# Altium PCB pay-ssm.PcbDoc (part 1 of 2)
Units mm, origin at the board's own origin, x right, y up, seen from the top; angles counter-clockwise.
Board outline 127 x 55.12 mm, 4 copper layers (Top Layer, GND, VCC, Bottom Layer), stack 0.603 mm thick; 264 components, 204 nets, 944 pads, 308 vias.
Unrouted connection lines stored in the file: 449.
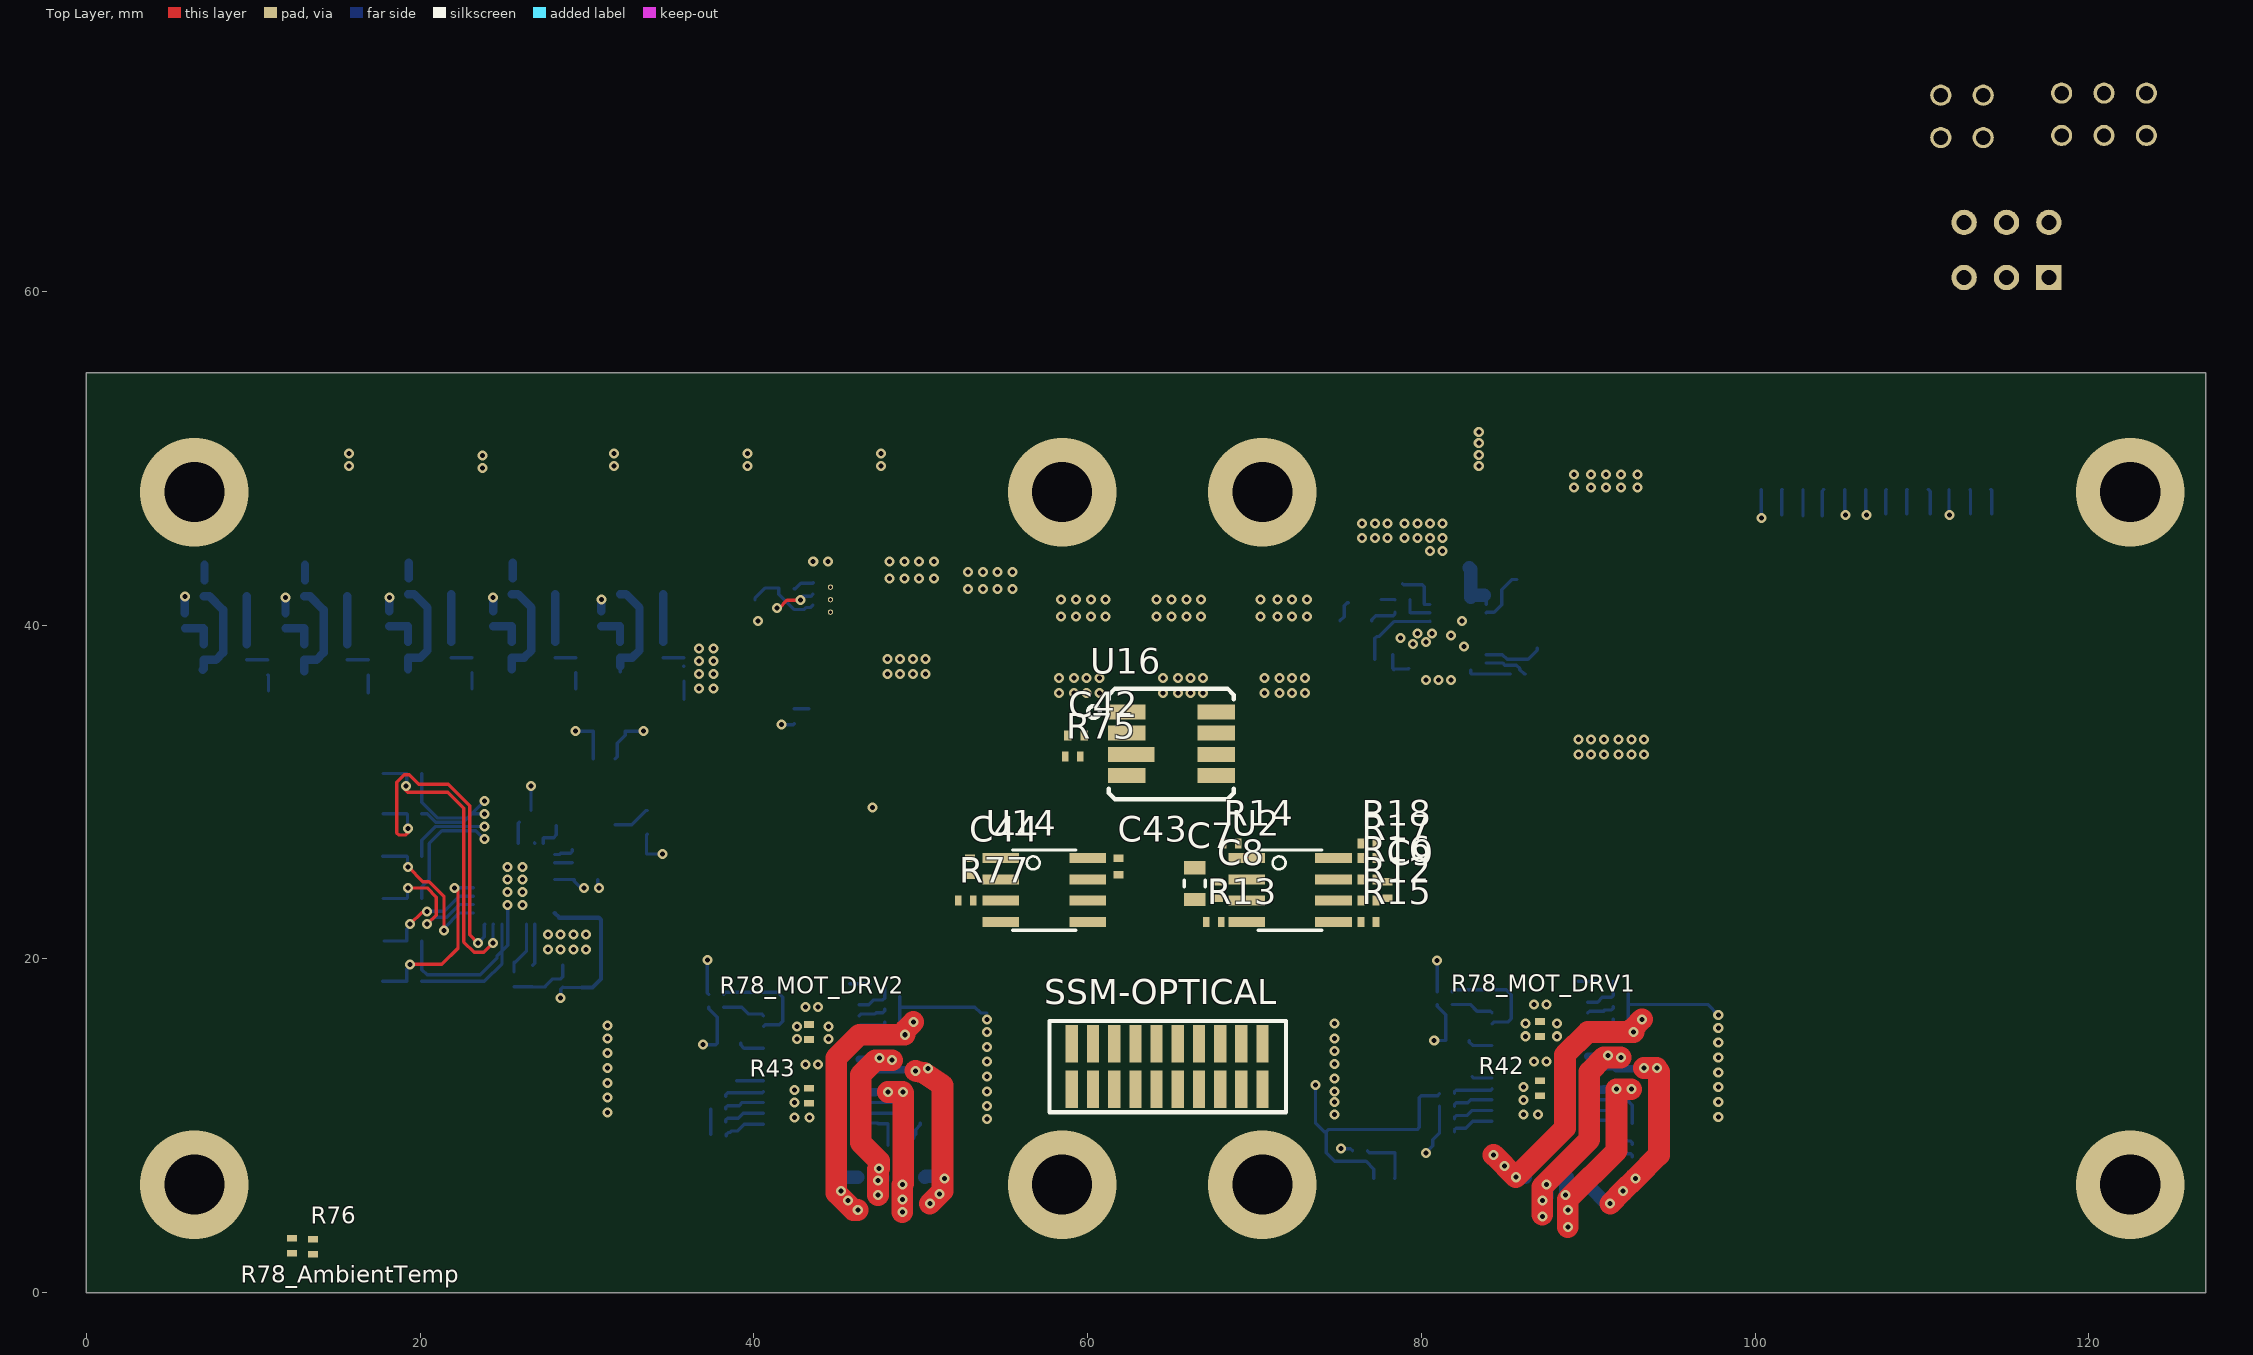
[diagram p0: Top Layer view]
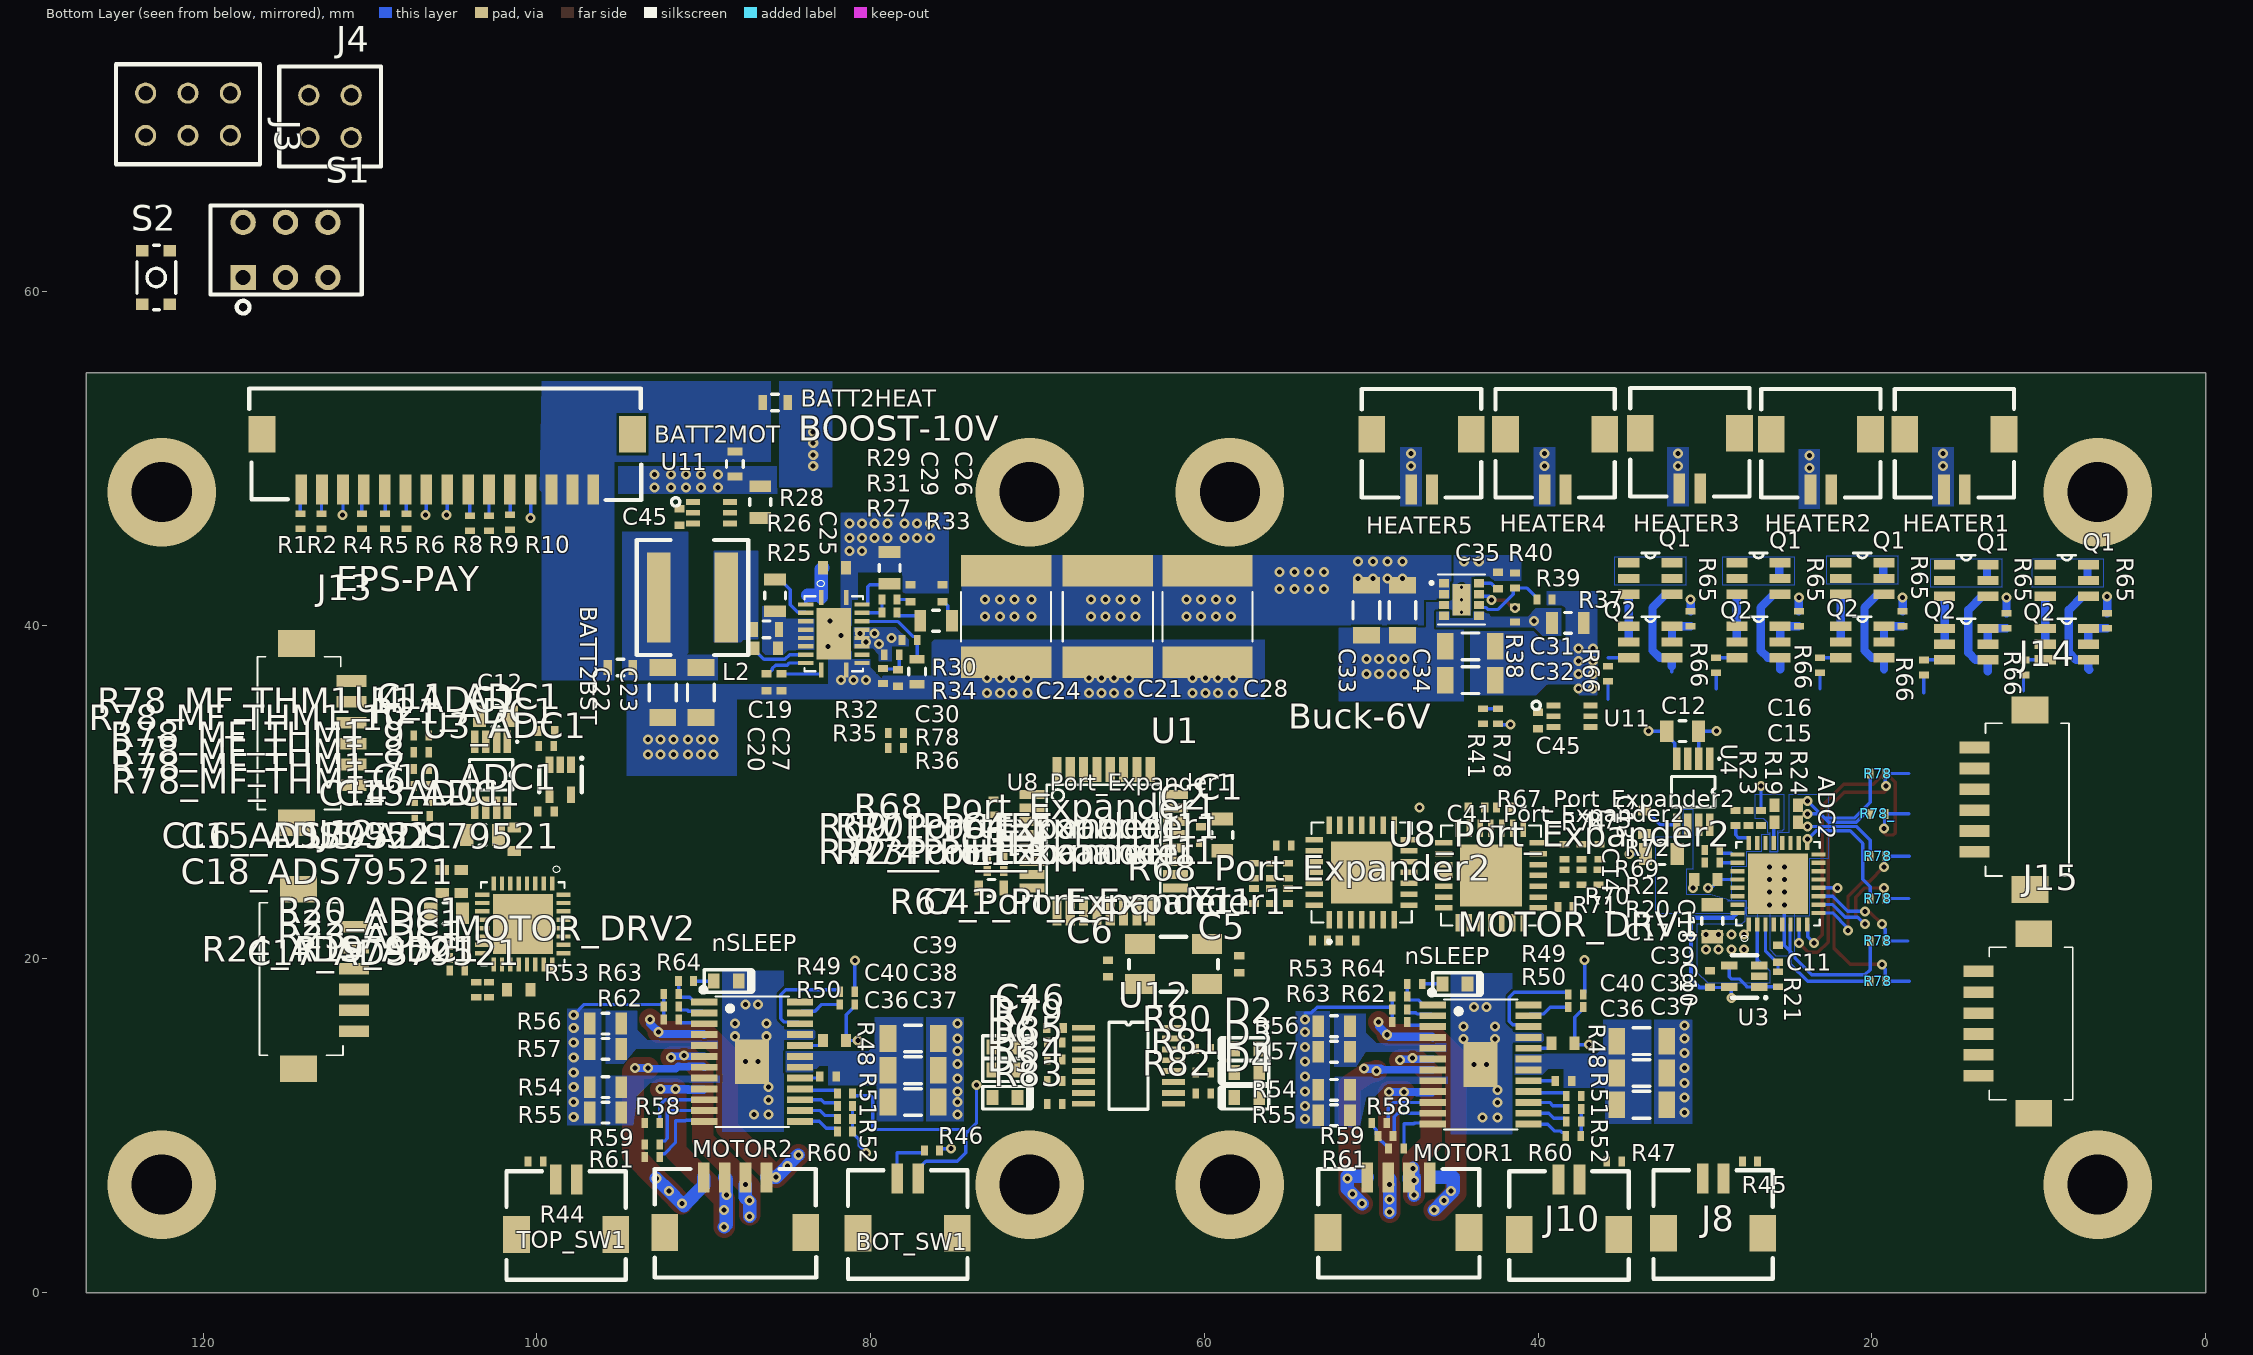
[diagram p1: Bottom Layer view, seen from below]
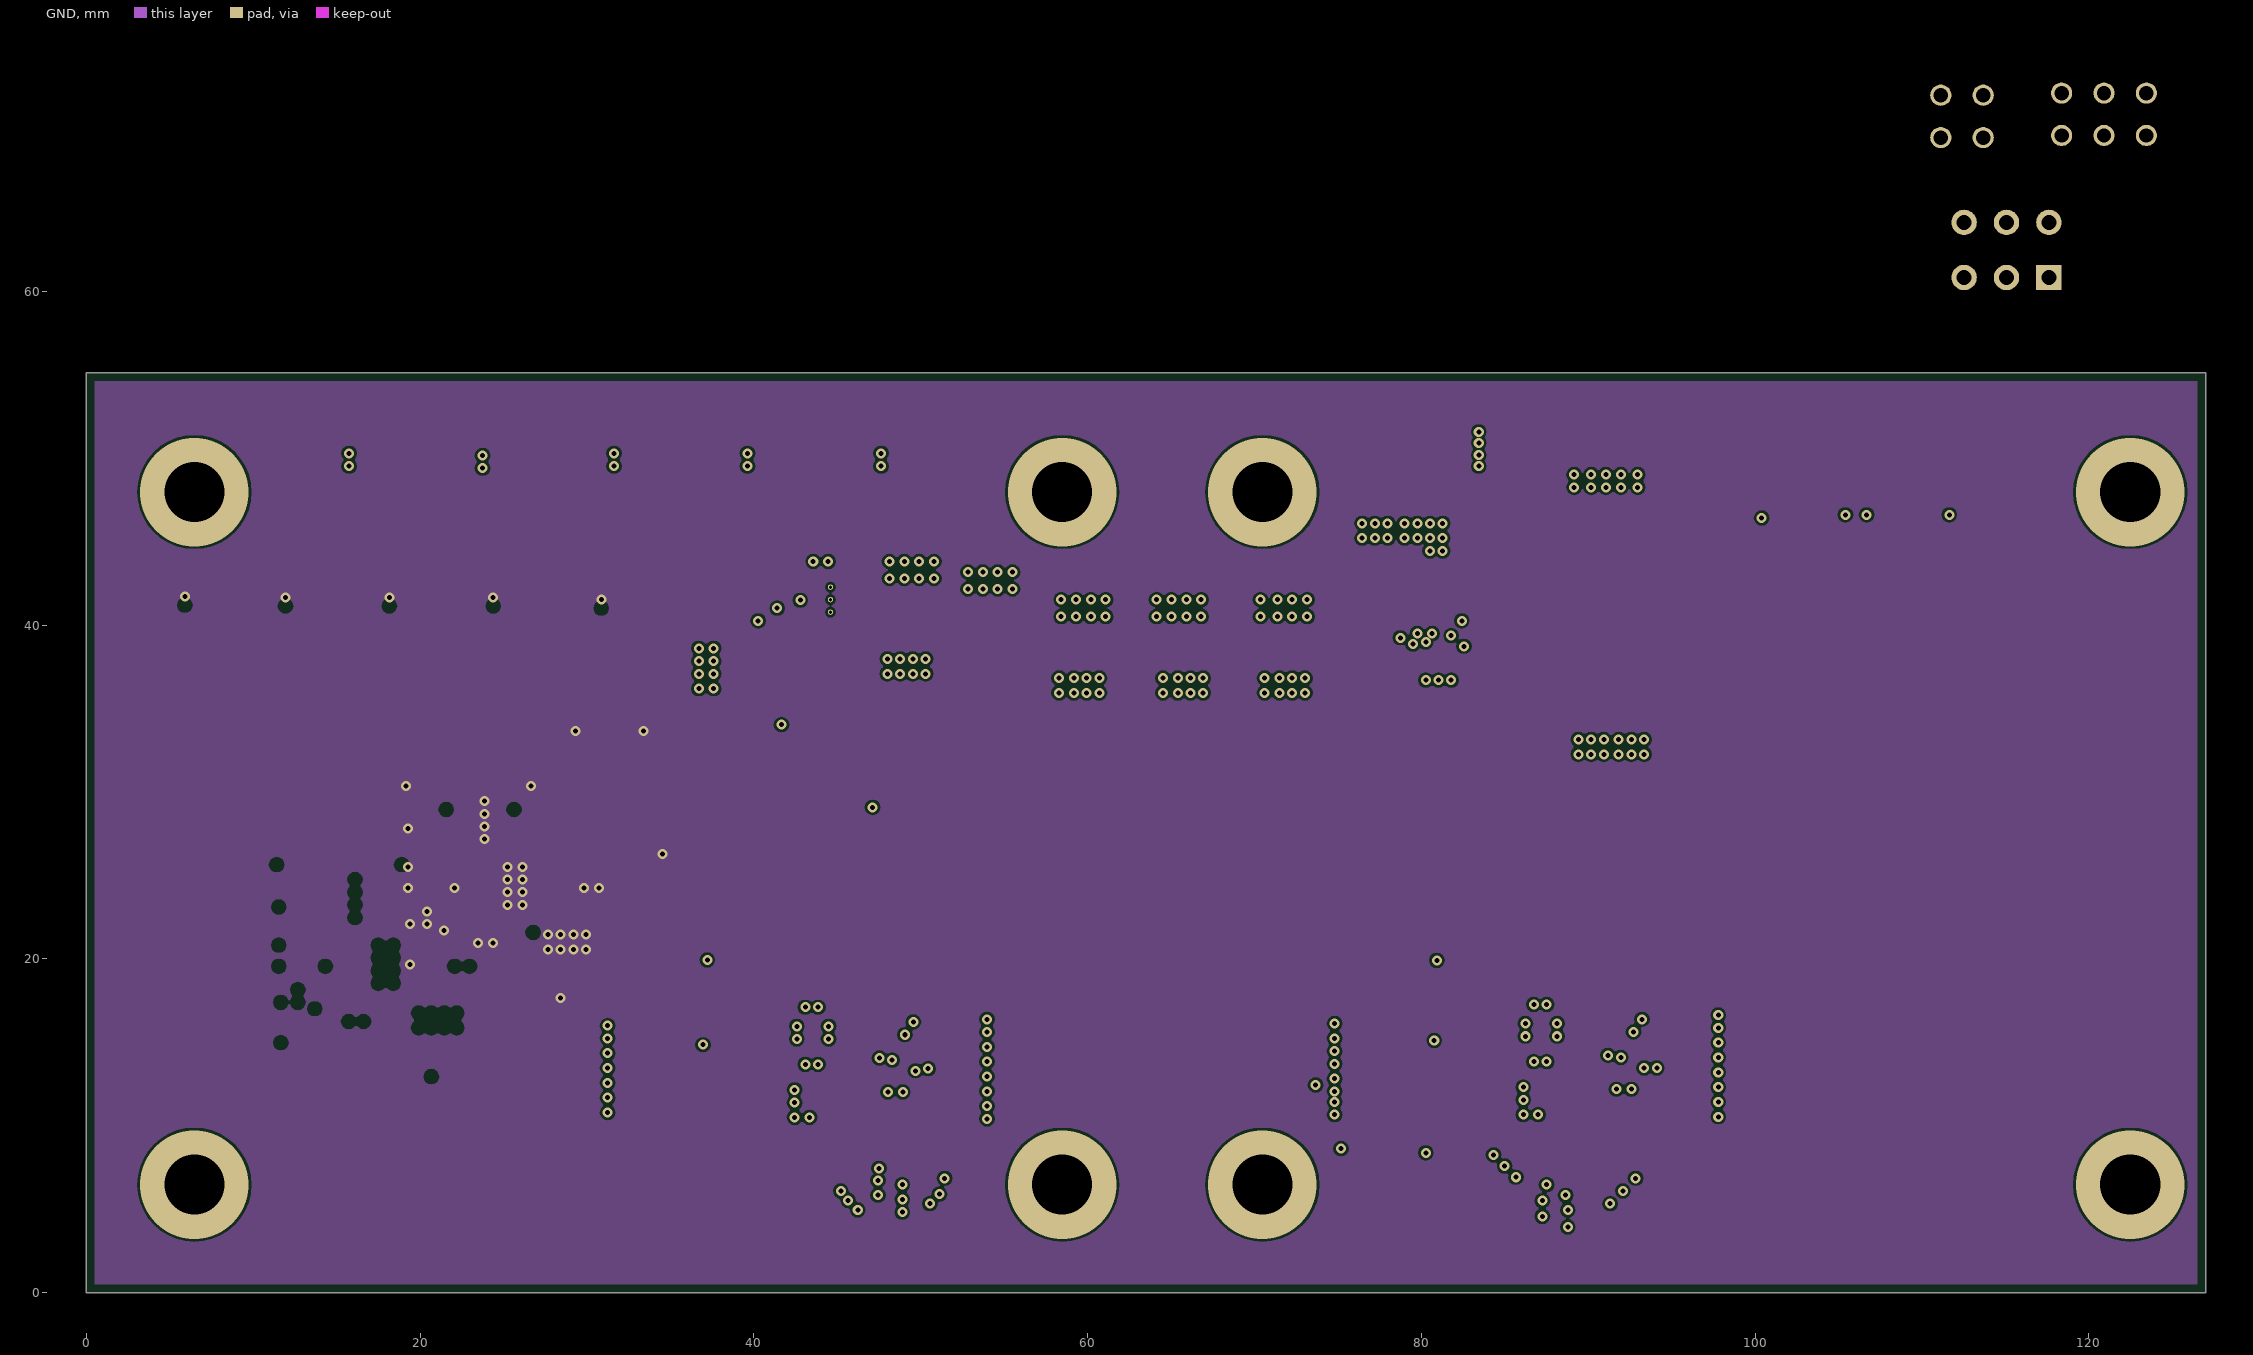
[diagram p2: GND]
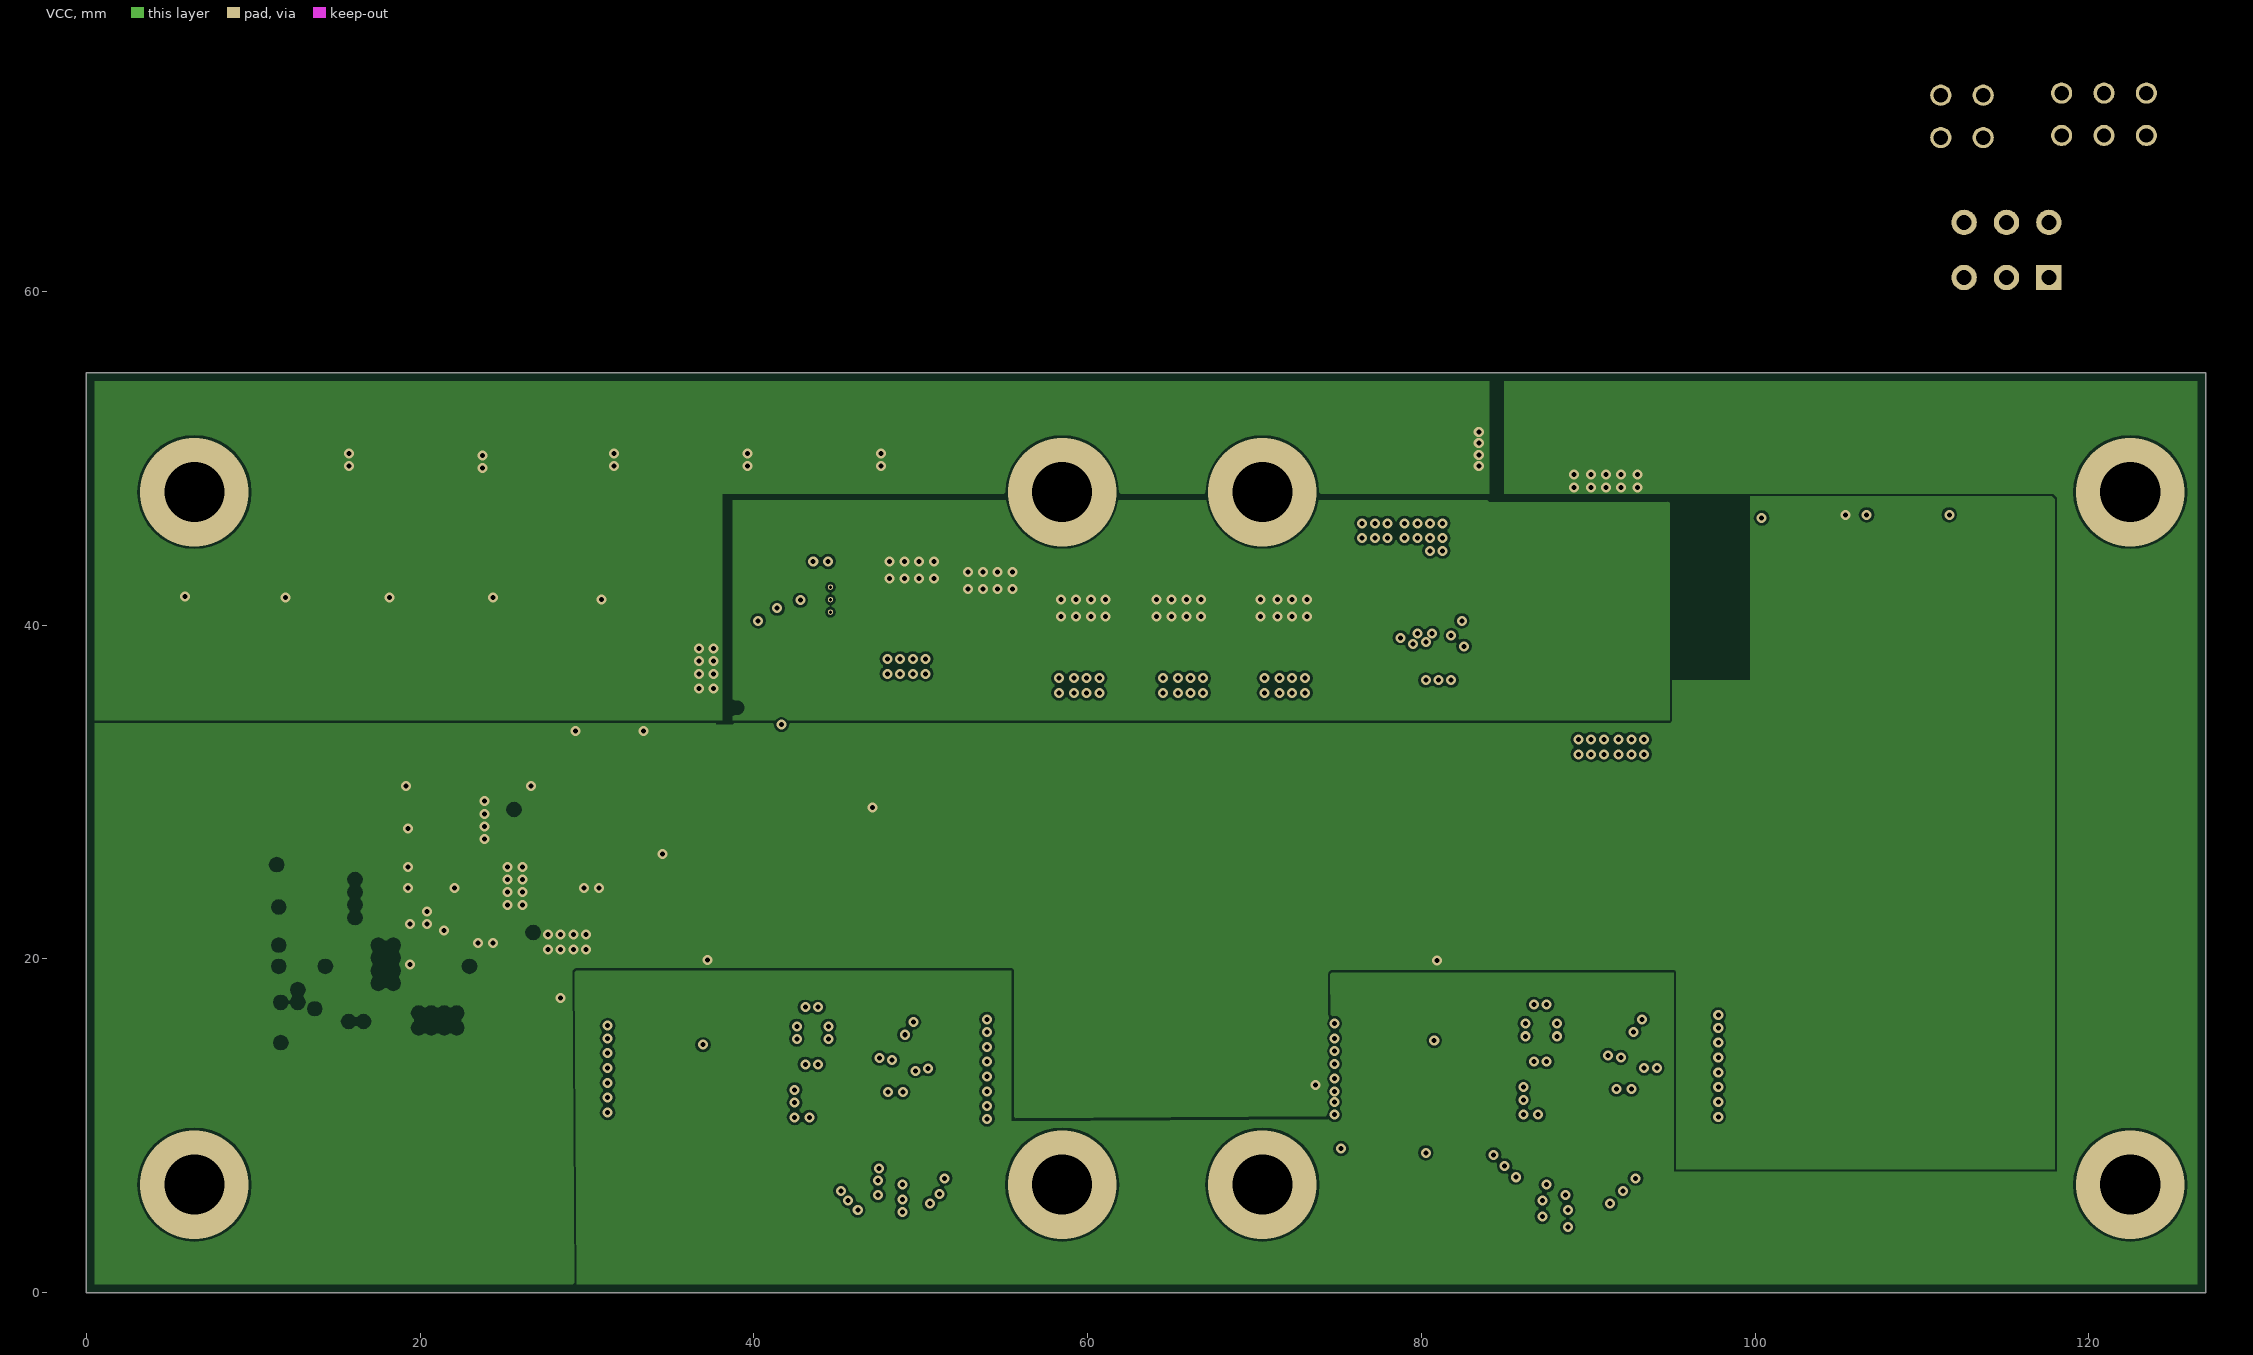
[diagram p3: VCC]

## Layer stack, top to bottom
Top Solder: solder mask 0.0102, Solder Resist, Dk 3.5
Top Layer: signal copper 0.0356
Dielectric 2: prepreg 0.0711, PP-006, Dk 4.1
GND: signal copper 0.035
Dielectric 1: dielectric 0.32, FR-4, Dk 4.8
VCC: signal copper 0.035
Dielectric 3: prepreg 0.0711, PP-006, Dk 4.1
Bottom Layer: signal copper 0.0356
Bottom Solder: solder mask 0.0102, Solder Resist, Dk 3.5

## Board outline
0,0 127,0 127,55.118 0,55.118

## Design rules (kind name [scope] priority, off if disabled: settings)
AssemblyTestPointUsage [All] p1 off:
AssemblyTestpoint [All] p1 off: testpointundercomponent=TRUE minsize=1.016 maxsize=2.54 preferedsize=1.524 minholesize=0 maxholesize=1.016 preferedholesize=0.813 testpointgrid=0.025 usegrid=TRUE gridtolerance=0 allowsidetop=TRUE allowsidebottom=TRUE
BoardOutlineClearance [All] p1: gap=0.5 ignorepadtopadclearanceinfootprint=FALSE
Clearance Component_Clearance [IsComponent vs IsComponent] p1: gap=0.254 ignorepadtopadclearanceinfootprint=FALSE
Clearance [All] p2: gap=0.152 ignorepadtopadclearanceinfootprint=TRUE
FabricationTestPointUsage [All] p1 off: valid=0 allowmultiple=FALSE
FabricationTestpoint [All] p1 off: side=3 testpointundercomponent=FALSE minsize=1.016 maxsize=2.54 preferedsize=1.524 minholesize=0 maxholesize=1.016 preferedholesize=0.813 testpointgrid=0.025 allowsidetop=TRUE allowsidebottom=TRUE usegrid=TRUE gridtolerance=0
HoleSize [All] p1: absolutevalues=TRUE maxlimit=6.3 minlimit=0.3 maxpercent=80.000 minpercent=20.000
HoleToHoleClearance [All] p1: gap=0.2 allowstackedmicrovias=FALSE
MinimumAnnularRing [All] p1: minimumring=0.15
MinimumSolderMaskSliver [All] p1: minsoldermaskwidth=0.1
PlaneClearance [All] p1: clearance=0.381
PlaneConnect [All] p1: planeconnectstyle=Direct reliefexpansion=0.508 reliefentries=4 reliefconductorwidth=0.254 reliefairgap=0.254
PolygonConnect [All] p1: connectstyle=Direct reliefconductorwidth=0.254 reliefentries=4 polygonreliefangle="90 Angle" airgapwidth=0.254
RoutingVias [All] p1: holewidth=0.3 width=0.6 viastyle="Through Hole" minholewidth=0.2 minwidth=0.6 maxholewidth=6.3 maxwidth=10 useviatemplates=TRUE viatemplateguid#1={011D216B-D316-413C-A39D-AE21322AA2E3} viatemplatename#1=v60h30m0mx0(Tol8-8)
SilkToSilkClearance [All] p1: silktosilkclearance=0
SilkToSolderMaskClearance [IsPad] p1: minsilkscreentomaskgap=0.2 clearancetoexposedcopper=TRUE
SolderMaskExpansion [All] p1: expansion=0.051
UnConnectedPin [All] p1:
UnRoutedNet [All] p1: checkbadconnections=TRUE
Width [All] p1: maxlimit=25.4 minlimit=0.152 preferedwidth=0.2
18 further rules are at their usual default settings.

## Classes and differential pairs
net class MF_THM2_IN[1..6]: MF_THM2_IN6
component class Current_Monitor: C44_Current_Monitor U11_Current_Monitor
component class MOTOR_DRV2: C36 C37 C38 C39 C40 MOTOR_DRV2 nSLEEP R48 R49 R50 R51 R52 R53 R54 R55 R56 R57 R58 R59 R60 R61 R62 R63 R65
component class MOTOR_DRV1: C36 C37 C38 C39 C40 MOTOR_DRV1 nSLEEP R48 R49 R50 R51 R52 R53 R54 R55 R56 R57 R58 R59 R60 R61 R62 R63 R65
component class Port_Expander2: C41_Port_Expander2 R67_Port_Expander2 R68_Port_Expander2 R69 R70 R71 R72 R73 R74 U8_Port_Expander2
component class Port_Expander1: C41_Port_Expander1 R67_Port_Expander1 R68_Port_Expander1 R69_Port_Expander1 R70_Port_Expander1 R71_Port_Expander1 R72_Port_Expander1 R73_Port_Expander1 R74_Port_Expander1 U8_Port_Expander1
component class micro-circuit-: C46 D2 D3 D4 D5 D6 D7 R79 R80 R81 R82 R83 R84 R85 U12
component class ADC2: C10 C11 C12 C13 C14 R19 R20 R21 R22 R23 U3 U4
component class ADC1: C10_ADC1 C11_ADC1 C12 C13_ADC1 C14_ADC1 R19_ADC1 R20_ADC1 R21_ADC1 R22_ADC1 R23_ADC1 U3_ADC1 U4_ADC1
channel class "Port Expander Breakout": PEX1 PEX2
channel class "Heater Control": HEATER1 HEATER2 HEATER3 HEATER4 HEATER5
channel class DRV8834: MOTOR_DRV1 MOTOR_DRV2
channel class curr-mon-INA214-Q1: Current_Monitor_Buck
channel class "ADC Breakout": ADC2 ADC13
channel class adc-circuit-ADS7952: ADC11 ADC12
channel class adc-ADS7952: ADS79521 ADS79522
net class MF_THM1_IN[1..6]: MF_THM1_IN6
net class MF2_THM[1..6]: MF2_THM1 MF2_THM2 MF2_THM3 MF2_THM4 MF2_THM5 MF2_THM6
net class MF1_THM[1..6]: MF1_THM1 MF1_THM2 MF1_THM3 MF1_THM4 MF1_THM5 MF1_THM6
component class TOP: BATT2HEAT BATT2MOT R1 R2 R4 R5 R6 R8 R9 R10 SSM-OPTICAL
component class THERMISTORS: J12 J13 J14 J15
component class MOTORS: MOTOR1 R42 R43
component class MOTOR_TEMP12: R78_MOT_DRV1
component class MOTOR_TEMP11: R78_MOT_DRV2
component class MF_THM2_17: R78
component class MF_THM2_16: R78
component class MF_THM2_15: R78
component class MF_THM2_13: R78
component class MF_THM2_12: R78
component class MF_THM1_11: R78_MF_THM1_11
component class MF_THM1_10: R78_MF_THM1_10
component class MF_THM1_9: R78_MF_THM1_9
component class MF_THM1_8: R78_MF_THM1_8
component class MF_THM1_7: R78_MF_THM1_7
component class MF_THM1_6: R78_MF_THM1_6
component class HEATER_PWR: Buck-6V C31 C32 C33 C34 C35 R37 R38 R39 R40 R41
component class HEATER5: HEATER5 Q1 Q2 R65 R66
component class HEATER4: HEATER4 Q1 Q2 R65 R66
component class HEATER3: HEATER3 Q1 Q2 R65 R66
component class HEATER2: HEATER2 Q1 Q2 R65 R66
component class HEATER1: HEATER1 Q1 Q2 R65 R66
component class General_Temp_Sense: R78_AmbientTemp
component class Buck_Temperature: R78
component class ADS79522: ADC2 C15 C16 C17 C18 R24
component class ADS79521: C15_ADS79521 C16_ADS79521 C17_ADS79521 C18_ADS79521 R24_ADS79521 U5_ADS79521
component class CAN_Transciever: C7 C8 C9 R12 R13 R14 R15 R16 R17 R18 U2
channel class thermistor-input-10k: ADC1_Temp_Sense ADC2_Temp_Sense Boost_Temp_Sense CIN6 CIN7 CIN8 CIN9 CIN10 CIN11 CIN12 CIN13 CIN14 CIN15 CIN16 CIN17 Motor_Driver_Temp_Sense1 Motor_Driver_Temp_Sense2
channel class pex-MCP23S17: Port_Expander_Motor Port_Expander_Thermal
component class MOTOR_FB: BOT_SW1 J8 J10 R44 R45 R46 R47 TOP_SW1
component class MCU_64M1: J3 J4 S1 S2
component class ENV_SENSORS: C42 C43 C44 R75 R76 R77 U14 U15 U16
component class Current_Monitor_Buck: C45 U8 U11
component class Boost_Temp_Sense: R47_Boost_Temp_Sense R78
component class BOOST: BATT2BST BOOST-10V C19 C20 C21 C22 C23 C24 C25 C26 C27 C28 C29 C30 L2 R25 R26 R27 R28 R29 R30 R31 R32 R33 R34 R35 R36
component class ATMEGA64M1: C1 C2 C3 C4 C5 C6 L1 R11 U1 Y1
